# KiCad board rps01.kicad_pcb
title: Prototype Senior Design A; date: 2023-03-30; rev: 0
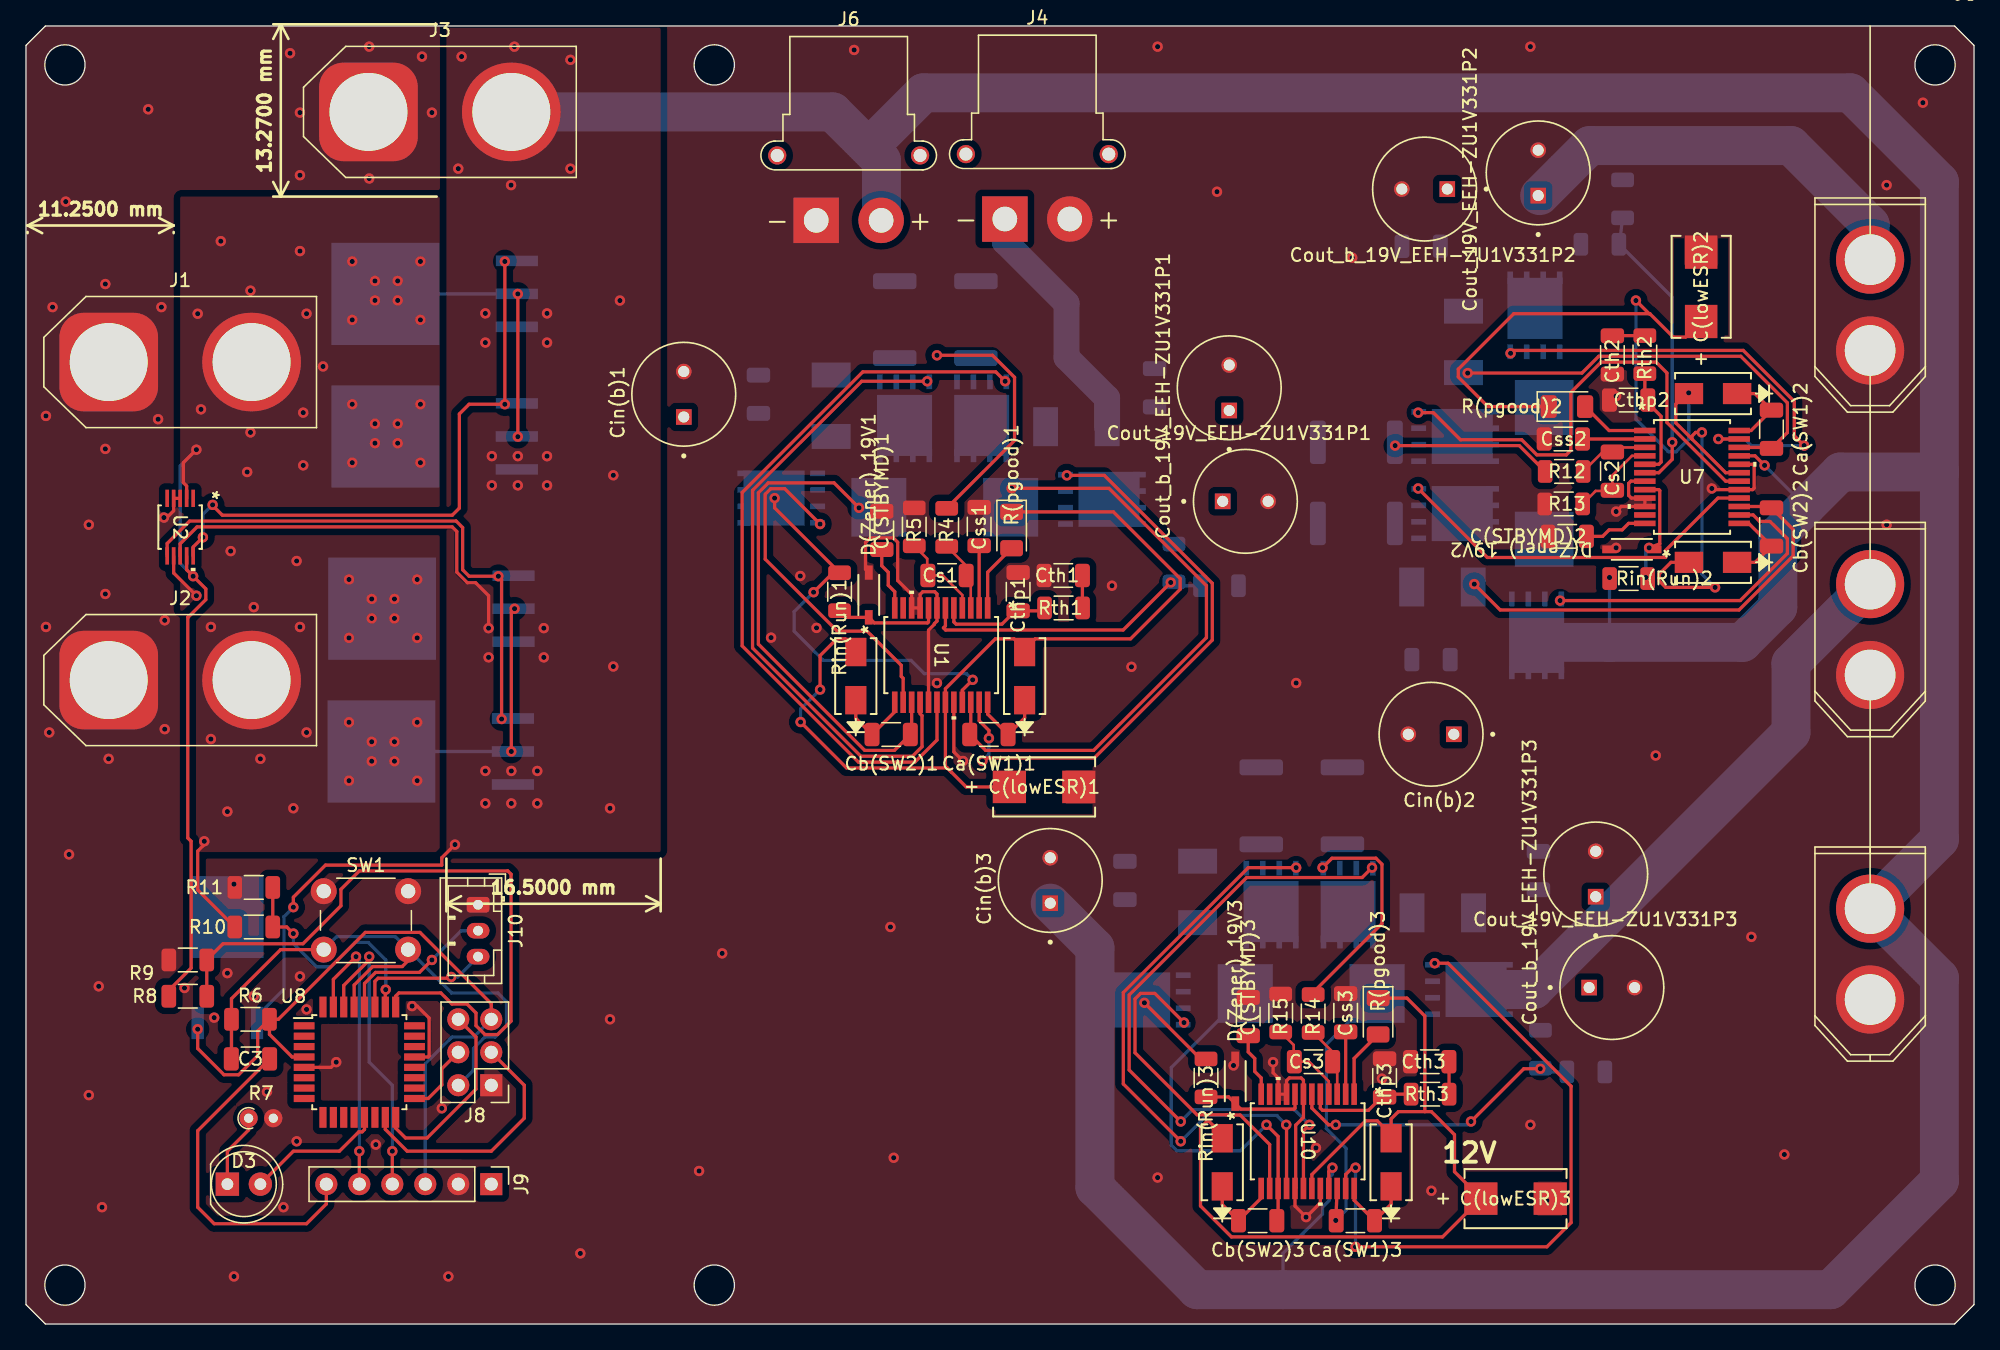
[diagram p0: board, top side]
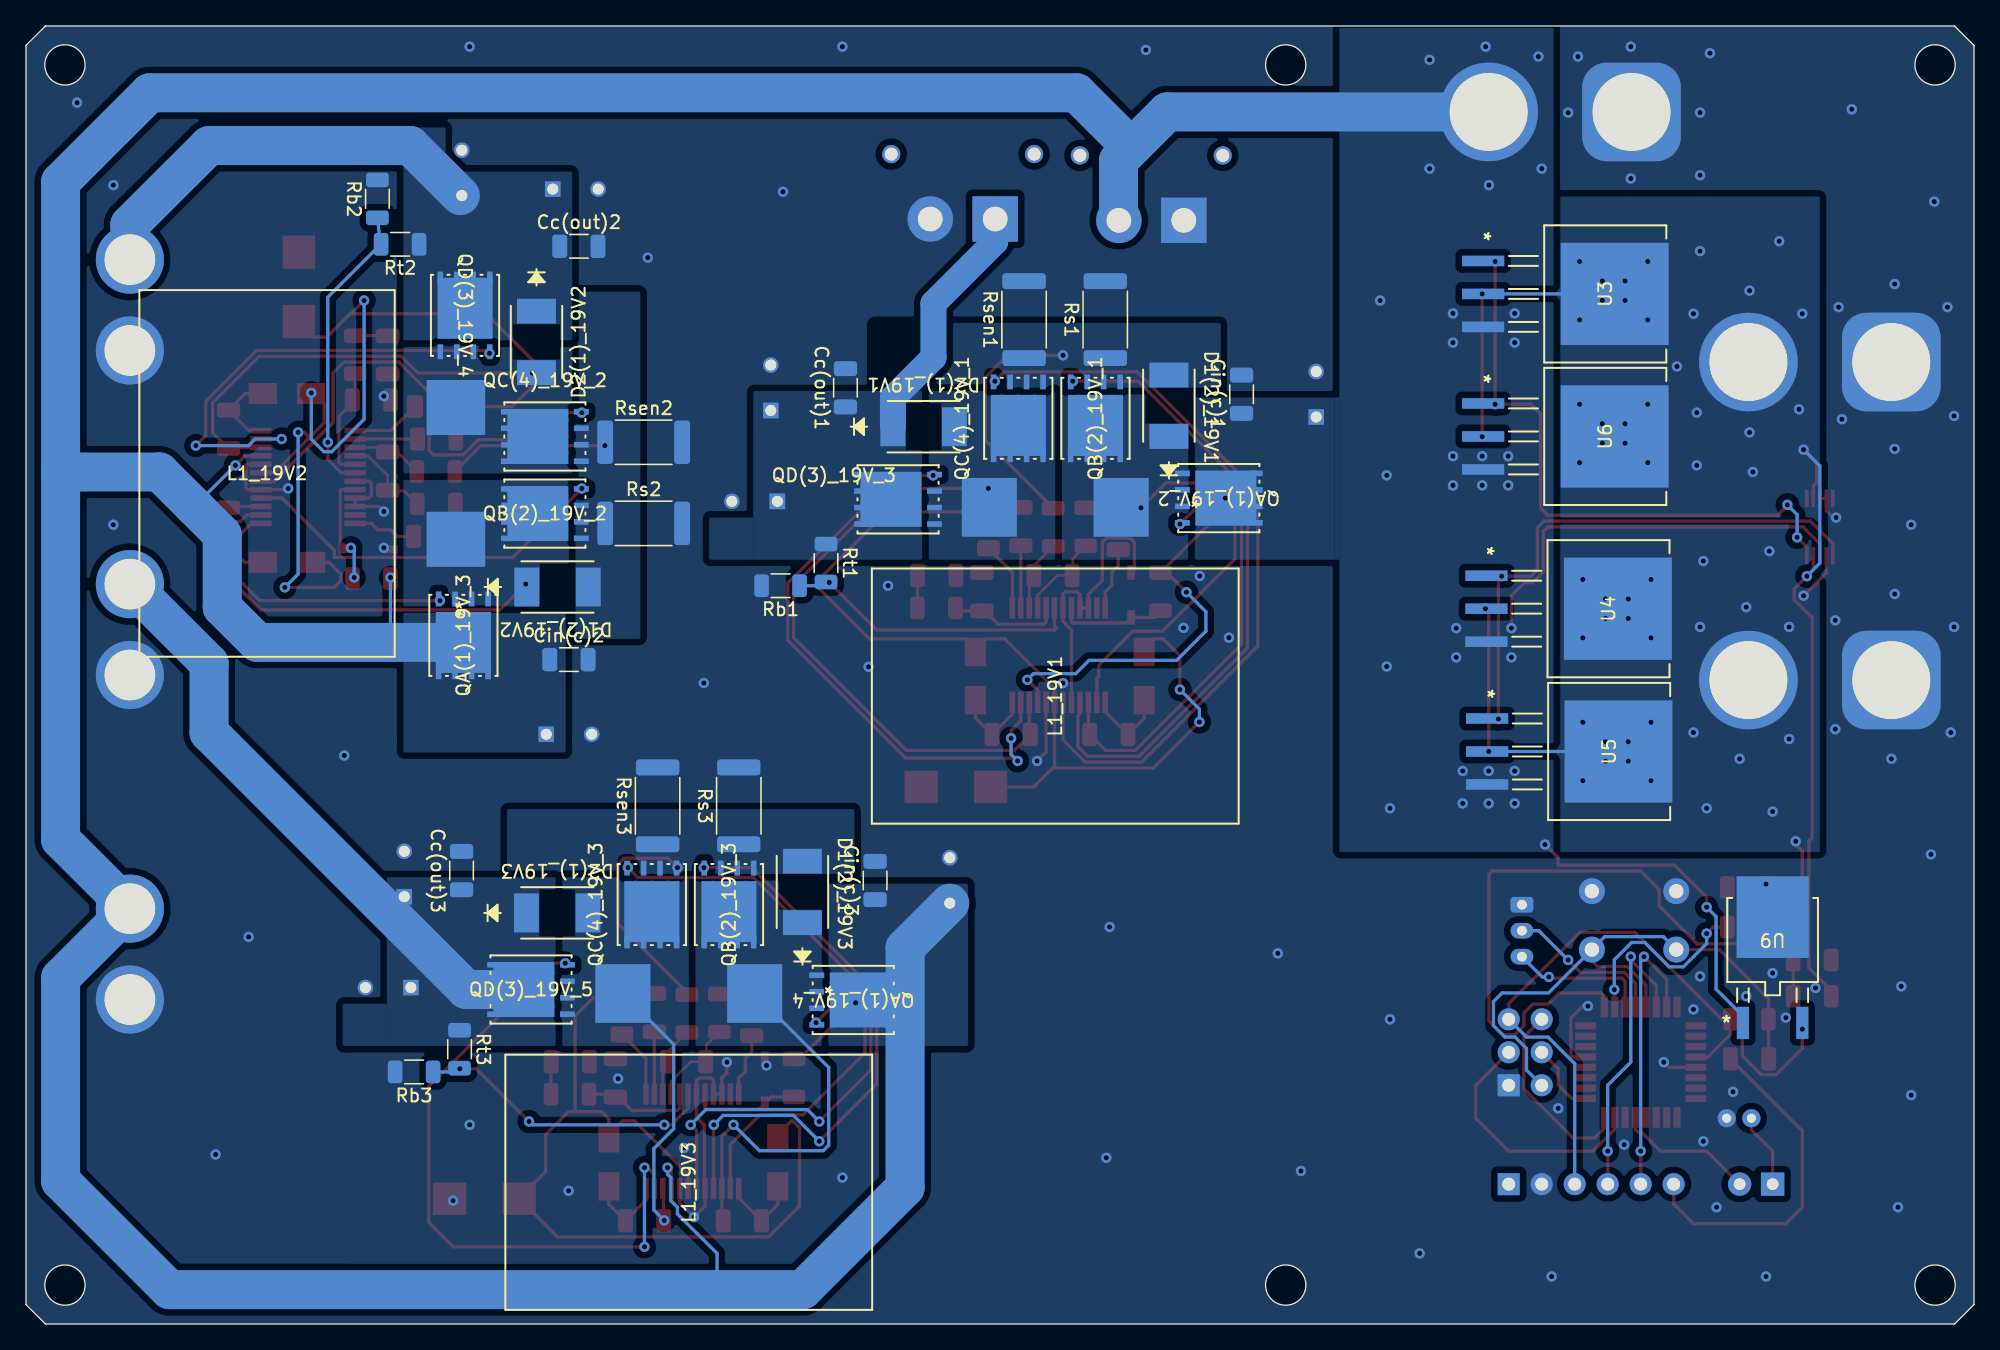
[diagram p1: board, bottom side, seen from below]

Outline 150 x 100 mm; copper layers: Top, Bottom. Coordinates in mm from the lower left corner of the outline.

## Placement (name value [footprint] x y rotation side)
C3  100nF  [C_1206_3216Metric]  17.29 20.43 0 top
C(lowESR)1  4.7u  [CAPMP7.6X4.3_3.1N_KEM]  78.4 41.38 0 top
C(lowESR)2  4.7u  [CAPMP7.6X4.3_3.1N_KEM]  128.99 79.91 90 top
C(lowESR)3  4.7u  [CAPMP7.6X4.3_3.1N_KEM]  114.7 9.66 0 top
C(STBYMD)1  0.001u  [C_1206_3216Metric]  65.9 61.14 90 top
C(STBYMD)2  0.001u  [C_1206_3216Metric]  118.68 60.68 180 top
C(STBYMD)3  0.001u  [C_1206_3216Metric]  94.11 23.68 90 top
Ca(SW1)1  0.22u  [C_1206_3216Metric]  74.15 45.42 180 top
Ca(SW1)2  0.22u  [C_1206_3216Metric]  134.4 68.93 270 top
Ca(SW1)3  0.22u  [C_1206_3216Metric]  102.36 7.96 180 top
Cb(SW2)1  0.22u  [C_1206_3216Metric]  66.62 45.42 180 top
Cb(SW2)2  0.22u  [C_1206_3216Metric]  134.4 61.4 270 top
Cb(SW2)3  0.22u  [C_1206_3216Metric]  94.84 7.96 180 top
Cc(out)1  47u  [C_1206_3216Metric]  86.9 72.13 90 bottom
Cc(out)2  47u  [C_1206_3216Metric]  107.43 83.03 180 bottom
Cc(out)3  47u  [C_1206_3216Metric]  116.46 34.93 90 bottom
Cin(b)1  270u  [LargeCAPSCAPPRD350W60D800H1200]  50.65 71.63 90 top
Cin(b)2  270u  [LargeCAPSCAPPRD350W60D800H1200]  108.19 45.43 180 top
Cin(b)3  270u  [LargeCAPSCAPPRD350W60D800H1200]  78.87 34.17 90 top
Cin(c)1  10u  [C_1206_3216Metric]  56.4 71.63 90 bottom
Cin(c)2  10u  [C_1206_3216Metric]  108.19 51.18 180 bottom
Cin(c)3  10u  [C_1206_3216Metric]  84.62 34.17 90 bottom
Cout_19V_EEH-ZU1V331P1  330u  [LargeCAPSCAPPRD350W60D800H1200]  93.9 63.38 0 top
Cout_19V_EEH-ZU1V331P2  330u  [LargeCAPSCAPPRD350W60D800H1200]  116.44 88.68 90 top
Cout_19V_EEH-ZU1V331P3  330u  [LargeCAPSCAPPRD350W60D800H1200]  122.11 25.92 0 top
Cout_b_19V_EEH-ZU1V331P1  330u  [LargeCAPSCAPPRD350W60D800H1200]  92.65 72.13 90 top
Cout_b_19V_EEH-ZU1V331P2  330u  [LargeCAPSCAPPRD350W60D800H1200]  107.69 87.43 180 top
Cout_b_19V_EEH-ZU1V331P3  330u  [LargeCAPSCAPPRD350W60D800H1200]  120.87 34.67 90 top
Cs1  100p  [C_1206_3216Metric]  70.92 57.67 0 top
Cs2  100p  [C_1206_3216Metric]  122.15 65.7 90 top
Cs3  100p  [C_1206_3216Metric]  99.14 20.21 0 top
Css1  0.001u  [C_1206_3216Metric]  73.4 61.44 270 top
Css2  0.001u  [C_1206_3216Metric]  118.38 68.18 0 top
Css3  0.001u  [C_1206_3216Metric]  101.61 23.98 270 top
Cth1  10000p  [C_1206_3216Metric]  79.87 57.67 180 top
Cth2  10000p  [C_1206_3216Metric]  122.15 74.65 270 top
Cth3  10000p  [C_1206_3216Metric]  108.09 20.21 180 top
Cthp1  47p  [C_1206_3216Metric]  76.4 56.42 90 top
Cthp2  47p  [C_1206_3216Metric]  123.4 71.18 180 top
Cthp3  47p  [C_1206_3216Metric]  104.61 18.96 90 top
D1(2)_19V1  SD2114S040S8R0  [SD2114_AVX]  62 70.75 90 bottom
D1(2)_19V2  SD2114S040S8R0  [SD2114_AVX]  109.07 56.78 180 bottom
D1(2)_19V3  SD2114S040S8R0  [SD2114_AVX]  90.21 33.29 90 bottom
D2(1)_19V1  SD2114S040S8R0  [SD2114_AVX]  80.88 69.13 180 bottom
D2(1)_19V2  SD2114S040S8R0  [SD2114_AVX]  110.69 75.66 270 bottom
D2(1)_19V3  SD2114S040S8R0  [SD2114_AVX]  109.1 31.67 180 bottom
D3  MCU_LED  [LED_D5.0mm]  15.51 10.78 0 top
D4_19V1  D_Schottky_B340AE-13  [CR_SMA_320-340AE_DIO]  76.9 49.92 90 top
D4_19V2  D_Schottky_B340AE-13  [CR_SMA_320-340AE_DIO]  129.9 71.68 180 top
D4_19V3  D_Schottky_B340AE-13  [CR_SMA_320-340AE_DIO]  105.11 12.46 90 top
D5_19V1  D_Schottky_B340AE-13  [CR_SMA_320-340AE_DIO]  63.9 49.92 90 top
D5_19V2  D_Schottky_B340AE-13  [CR_SMA_320-340AE_DIO]  129.9 58.68 180 top
D5_19V3  D_Schottky_B340AE-13  [CR_SMA_320-340AE_DIO]  92.11 12.46 90 top
D(Zener)_19V1  D_Zener_BZT52C4V7-13-F  [SOD123_DIO]  64.9 56.17 90 top
D(Zener)_19V2  D_Zener_BZT52C4V7-13-F  [SOD123_DIO]  123.65 59.68 180 top
D(Zener)_19V3  D_Zener_BZT52C4V7-13-F  [SOD123_DIO]  93.11 18.71 90 top
J1  XT90 IN BAT1  [AMASS_XT90-M_1x02_P11.00mm_Vertical]  6.37 74.11 0 top
J2  XT90 IN BAT2  [AMASS_XT90-M_1x02_P11.00mm_Vertical]  6.37 49.61 0 top
J3  XT90 ESC Output  [AMASS_XT90-F_1x02_P11.00mm_Vertical]  26.37 93.38 0 top
J4  XT30PW Out Orin  [AMASS_XT30PW-F_1x02_P2.50mm_Horizontal]  75.37 85.13 0 top
J5  3x XT60 Template  [V0_PC100_Power_Board_Ken]  0 100 0 top
J6  XT30PW Bat Out  [AMASS_XT30PW-F_1x02_P2.50mm_Horizontal]  60.85 85.02 0 top
J8  MCU_ICSP_header  [PinHeader_2x03_P2.54mm_Vertical]  35.83 18.4 180 top
J9  MCU_prog_header  [PinHeader_1x06_P2.54mm_Vertical]  35.83 10.78 270 top
J10  JST_PH_MCU_I2C  [JST_PH_B3B-PH-K_1x03_P2.00mm_Vertical]  34.81 32.3 270 top
L1_19V1  6.8u Wurth 74436410680  [IND_410680_WRE]  70.75 48.38 270 bottom
L1_19V2  10u Wurth  [IND_410680_WRE]  131.44 65.53 0 bottom
L1_19V3  10u Wurth  [IND_410680_WRE]  98.96 10.92 270 bottom
QA(1)_19V_2  BSC009NE2LS5IATMA1  [PG-TDSON-8_INF_modified_ken]  58.15 63.63 180 bottom
QA(1)_19V_3  BSC009NE2LS5IATMA1  [PG-TDSON-8_INF_modified_ken]  116.32 53.05 270 bottom
QA(1)_19V_4  BSC009NE2LS5IATMA1  [PG-TDSON-8_INF_modified_ken]  86.3 24.97 180 bottom
QB(2)_19V_1  BSC009NE2LS5IATMA1  [PG-TDSON-8_INF_modified_ken]  67.65 69.77 270 bottom
QB(2)_19V_2  BSC009NE2LS5IATMA1  [PG-TDSON-8_INF_modified_ken]  110.04 62.43 0 bottom
QB(2)_19V_3  BSC009NE2LS5IATMA1  [PG-TDSON-8_INF_modified_ken]  95.87 32.32 270 bottom
QC(4)_19V_1  BSC009NE2LS5IATMA1  [PG-TDSON-8_INF_modified_ken]  73.59 69.77 270 bottom
QC(4)_19V_2  BSC009NE2LS5IATMA1  [PG-TDSON-8_INF_modified_ken]  110.04 68.37 0 bottom
QC(4)_19V_3  BSC009NE2LS5IATMA1  [PG-TDSON-8_INF_modified_ken]  101.81 32.32 270 bottom
QD(3)_19V_3  BSC009NE2LS5IATMA1  [PG-TDSON-8_INF_modified_ken]  82.85 63.53 0 bottom
QD(3)_19V_4  BSC009NE2LS5IATMA1  [PG-TDSON-8_INF_modified_ken]  116.19 77.71 90 bottom
QD(3)_19V_5  BSC009NE2LS5IATMA1  [PG-TDSON-8_INF_modified_ken]  111.11 25.77 0 bottom
R4  100  [R_1206_3216Metric]  70.9 61.38 270 top
R5  100  [R_1206_3216Metric]  68.4 61.42 90 top
R6  10K  [R_1206_3216Metric]  17.29 23.48 0 top
R7  1k  [R_Axial_DIN0204_L3.6mm_D1.6mm_P1.90mm_Vertical]  17.14 15.86 0 top
R8  1.2M  [R_1206_3216Metric]  12.46 25.25 0 top
R9  510K  [R_1206_3216Metric]  12.46 28.05 180 top
R10  1.2M  [R_1206_3216Metric]  17.54 30.59 0 top
R11  510K  [R_1206_3216Metric]  17.54 33.64 180 top
R12  100  [R_1206_3216Metric]  118.44 65.68 0 top
R13  100  [R_1206_3216Metric]  118.4 63.18 180 top
R14  100  [R_1206_3216Metric]  99.11 23.92 270 top
R15  100  [R_1206_3216Metric]  96.61 23.96 90 top
R(pgood)1  100k  [LED_1206_3216Metric]  75.9 61.17 270 top
R(pgood)2  100k  [LED_1206_3216Metric]  118.65 70.68 0 top
R(pgood)3  100k  [LED_1206_3216Metric]  104.11 23.71 270 top
Rb1  4.3K  [R_1206_3216Metric]  91.9 56.88 0 bottom
Rb2  4.3K  [R_1206_3216Metric]  122.94 86.68 90 bottom
Rb3  4.3K  [R_1206_3216Metric]  120.11 19.42 0 bottom
Rin(Run)1  51K  [R_1206_3216Metric]  62.65 56.42 270 top
Rin(Run)2  51K  [R_1206_3216Metric]  123.4 57.43 0 top
Rin(Run)3  51K  [R_1206_3216Metric]  90.86 18.96 270 top
Rs1  6m  [R_2512_6332Metric]  66.9 77.38 90 bottom
Rs2  6m  [R_2512_6332Metric]  102.44 61.68 180 bottom
Rs3  6m  [R_2512_6332Metric]  95.11 39.92 90 bottom
Rsen1  6m  [R_2512_6332Metric]  73.15 77.38 90 bottom
Rsen2  6m  [R_2512_6332Metric]  102.44 67.93 180 bottom
Rsen3  6m  [R_2512_6332Metric]  101.36 39.92 90 bottom
Rt1  100K  [R_1206_3216Metric]  88.4 58.63 270 bottom
Rt2  100K  [R_1206_3216Metric]  121.19 83.18 0 bottom
Rt3  100K  [R_1206_3216Metric]  116.61 21.17 270 bottom
Rth1  124K  [R_1206_3216Metric]  79.9 55.17 180 top
Rth2  124K  [R_1206_3216Metric]  124.65 74.68 270 top
Rth3  124K  [R_1206_3216Metric]  108.11 17.71 180 top
SW1  MCU_Button  [SW_PUSH_6mm]  22.93 33.35 0 top
U1  LTC3780EG-TRPBF  [LTC3780_SSOP-24_G_LIT]  70.47 51.53 270 top
U2  LTC4416EMS-1-TRPBF  [LTC4416_MSOP-10_MS_LIT]  11.87 61.39 270 top
U3  NP100P04PLG-E1-AY  [LTC3780_PRSS0004AL-A_REN]  28.4 79.36 270 bottom
U4  NP100P04PLG-E1-AY  [LTC3780_PRSS0004AL-A_REN]  28.15 55.11 270 bottom
U5  NP100P04PLG-E1-AY  [LTC3780_PRSS0004AL-A_REN]  28.1 44.11 270 bottom
U6  NP100P04PLG-E1-AY  [LTC3780_PRSS0004AL-A_REN]  28.4 68.38 270 bottom
U7  LTC3780EG-TRPBF  [LTC3780_SSOP-24_G_LIT]  128.29 65.26 0 top
U8  ATmega328PB-A  [TQFP-32_7x7mm_P0.8mm]  25.67 20.17 0 top
U9  L78M05CDT-TR 5V Reg  [5V_REGULATOR_DPAK_STM]  15.51 29.58 180 bottom
U10  LTC3780EG-TRPBF  [LTC3780_SSOP-24_G_LIT]  98.69 14.08 270 top

## Library data of the parts
C3 = -: Description: Unpolarized capacitor, small symbol
C(lowESR)1-C(lowESR)3 C(STBYMD)1-C(STBYMD)3 Ca(SW1)1-Ca(SW1)3 Cb(SW2)1-Cb(SW2)3 Cc(out)1-Cc(out)3 Cin(b)1-Cin(b)3 Cin(c)1-Cin(c)3 Cout_19V_EEH-ZU1V331P1-Cout_19V_EEH-ZU1V331P3 Cs1-Cs3 Css1-Css3 Cth1-Cth3 Cthp1-Cthp3 = -: Description: Unpolarized capacitor
Cout_b_19V_EEH-ZU1V331P1-Cout_b_19V_EEH-ZU1V331P3 = -: Description: Polarized capacitor
D3 = -: Description: Light emitting diode
D4_19V1-D4_19V3 D5_19V1-D5_19V3 = -: Description: Schottky diode
D(Zener)_19V1-D(Zener)_19V3 = -: Description: Zener diode
J1-J4 J6 = -: Description: Generic connector, single row, 01x02, script generated
J5 J9 = -: Description: Generic connector, single row, 01x06, script generated
J8 = -: Description: Generic connector, double row, 02x03, counter clockwise pin numbering scheme (similar to DIP package numbering), script generated (kicad-library-utils/schlib/autogen/connector/)
J10 = -: Description: Generic connector, single row, 01x03, script generated
L1_19V1-L1_19V3 = -: Description: Inductor
R4-R7 R12-R15 R(pgood)1-R(pgood)3 Rb1-Rb3 Rin(Run)1-Rin(Run)3 Rs1-Rs3 Rsen1-Rsen3 Rt1-Rt3 Rth1-Rth3 = -: Description: Resistor
R8-R11 = -: Description: Resistor, small symbol
SW1 = -: Description: Push button switch, push-to-open, generic, two pins
U8 = -: Description: 20MHz, 32kB Flash, 2kB SRAM, 1kB EEPROM, TQFP-32

## Footprints (pads in the part's own frame, mm; a bottom-side part is the same pattern mirrored in y, then rotated)
5V_REGULATOR_DPAK_STM
  rect 0.94x2.489 smd: 1(-2.286,-6.388) 2(2.286,-6.388)
  rect 5.563x6.299 smd: 3(0,1.765)
AMASS_XT30PW-F_1x02_P2.50mm_Horizontal
  round 1.4 hole 1: (-3,5) (8,5)
  rect 3.5x3.5 hole 1.9: 1(0,0)
  round 3.5 hole 1.9: 2(5,0)
AMASS_XT90-F_1x02_P11.00mm_Vertical
  rrect 7.6x7.6 hole 6: 1(0,0)
  round 7.6 hole 6: 2(11,0)
AMASS_XT90-M_1x02_P11.00mm_Vertical
  rrect 7.6x7.6 hole 6: 1(0,0)
  round 7.6 hole 6: 2(11,0)
C_1206_3216Metric
  rrect 1.15x1.8 smd: 1(-1.475,0) 2(1.475,0)
CAPMP7.6X4.3_3.1N_KEM
  rect 2.56x2.5 smd: 1(-2.672,0) 2(2.672,0)
CR_SMA_320-340AE_DIO
  rect 2.184x1.626 smd: 1(-1.854,0) 2(1.854,0)
IND_410680_WRE
  rect 4.521x4.242 smd: 1(-14.541,5.075) 2(-14.541,-5.075)
JST_PH_B3B-PH-K_1x03_P2.00mm_Vertical
  rrect 1.2x1.75 hole 0.75: 1(0,0)
  oval 1.2x1.75 hole 0.75: 2(2,0) 3(4,0)
LargeCAPSCAPPRD350W60D800H1200
  rect 1.2x1.2 hole 0.85: 1(-1.75,0)
  round 1.2 hole 0.85: 2(1.75,0)
LED_1206_3216Metric
  rrect 1.25x1.75 smd: 1(-1.4,0) 2(1.4,0)
LED_D5.0mm
  rect 1.8x1.8 hole 0.9: 1(0,0)
  round 1.8 hole 0.9: 2(2.54,0)
LTC3780_PRSS0004AL-A_REN
  rect 0.813x3.251 smd: 1(-2.54,-9.398) 2(0,-9.398) 3(2.54,-9.398)
  rect 7.874x8.306 smd: 4(0,0.724)
LTC3780_SSOP-24_G_LIT
  rect 1.651x0.432 smd: 1(-3.632,3.576) 2(-3.632,2.926) 3(-3.632,2.276) 4(-3.632,1.626) 5(-3.632,0.975) 6(-3.632,0.325) 7(-3.632,-0.325) 8(-3.632,-0.975) 9(-3.632,-1.626) 10(-3.632,-2.276) 11(-3.632,-2.926) 12(-3.632,-3.576) 13(3.632,-3.576) 14(3.632,-2.926) 15(3.632,-2.276) 16(3.632,-1.626) 17(3.632,-0.975) 18(3.632,-0.325) 19(3.632,0.325) 20(3.632,0.975) 21(3.632,1.626) 22(3.632,2.276) 23(3.632,2.926) 24(3.632,3.576)
LTC4416_MSOP-10_MS_LIT
  rect 1.333x0.279 smd: 1(-2.216,1.001) 2(-2.216,0.5) 3(-2.216,0) 4(-2.216,-0.5) 5(-2.216,-1.001) 6(2.216,-1.001) 7(2.216,-0.5) 8(2.216,0) 9(2.216,0.5) 10(2.216,1.001)
PG-TDSON-8_INF_modified_ken
  rect 1.143x0.432 smd: 1(-2.807,1.905) 2(-2.807,0.635) 3(-2.807,-0.635) 4(-2.807,-1.905)
  rect 0.965x0.432 smd: 5(2.896,-1.905) 6(2.896,-0.635) 7(2.896,0.635) 8(2.896,1.905)
  rect 4.701x4.242 smd: 8(0.545,0)
PinHeader_1x06_P2.54mm_Vertical
  rect 1.7x1.7 hole 1: 1(0,0)
  oval 1.7x1.7 hole 1: 2(0,-2.54) 3(0,-5.08) 4(0,-7.62) 5(0,-10.16) 6(0,-12.7)
PinHeader_2x03_P2.54mm_Vertical
  rect 1.7x1.7 hole 1: 1(0,0)
  oval 1.7x1.7 hole 1: 2(2.54,0) 3(0,-2.54) 4(2.54,-2.54) 5(0,-5.08) 6(2.54,-5.08)
R_1206_3216Metric
  rrect 1.125x1.75 smd: 1(-1.462,0) 2(1.462,0)
R_2512_6332Metric
  rrect 1.225x3.35 smd: 1(-2.962,0) 2(2.962,0)
R_Axial_DIN0204_L3.6mm_D1.6mm_P1.90mm_Vertical
  round 1.4 hole 0.7: 1(0,0)
  oval 1.4x1.4 hole 0.7: 2(1.9,0)
SD2114_AVX
  rect 1.918x2.997 smd: 1(-2.369,0) 2(2.369,0)
SOD123_DIO
  rect 1.111x0.601 smd: 1(-1.725,0) 2(1.725,0)
SW_PUSH_6mm
  round 2 hole 1.1: 1(0,0) 1(6.5,0) 2(0,-4.5) 2(6.5,-4.5)
TQFP-32_7x7mm_P0.8mm
  rect 1.6x0.55 smd: 1(-4.25,2.8) 2(-4.25,2) 3(-4.25,1.2) 4(-4.25,0.4) 5(-4.25,-0.4) 6(-4.25,-1.2) 7(-4.25,-2) 8(-4.25,-2.8) 17(4.25,-2.8) 18(4.25,-2) 19(4.25,-1.2) 20(4.25,-0.4) 21(4.25,0.4) 22(4.25,1.2) 23(4.25,2) 24(4.25,2.8)
  rect 0.55x1.6 smd: 9(-2.8,-4.25) 10(-2,-4.25) 11(-1.2,-4.25) 12(-0.4,-4.25) 13(0.4,-4.25) 14(1.2,-4.25) 15(2,-4.25) 16(2.8,-4.25) 25(2.8,4.25) 26(2,4.25) 27(1.2,4.25) 28(0.4,4.25) 29(-0.4,4.25) 30(-1.2,4.25) 31(-2,4.25) 32(-2.8,4.25)
V0_PC100_Power_Board_Ken
  round 5.25 hole 3.9: 1(142,-25) 2(142,-18) 3(142,-50) 4(142,-43) 5(142,-75) 6(142,-68)
